# Altium PCB 整板_大板_one_EDA.PcbDoc (part 1 of 4)
Units mil, origin at the board's own origin, x right, y up, seen from the top; angles counter-clockwise.
Board outline 19488.19 x 7322.83 mil, 2 copper layers (Top Layer, Bottom Layer); 297 components, 275 nets, 1813 pads, 741 vias.
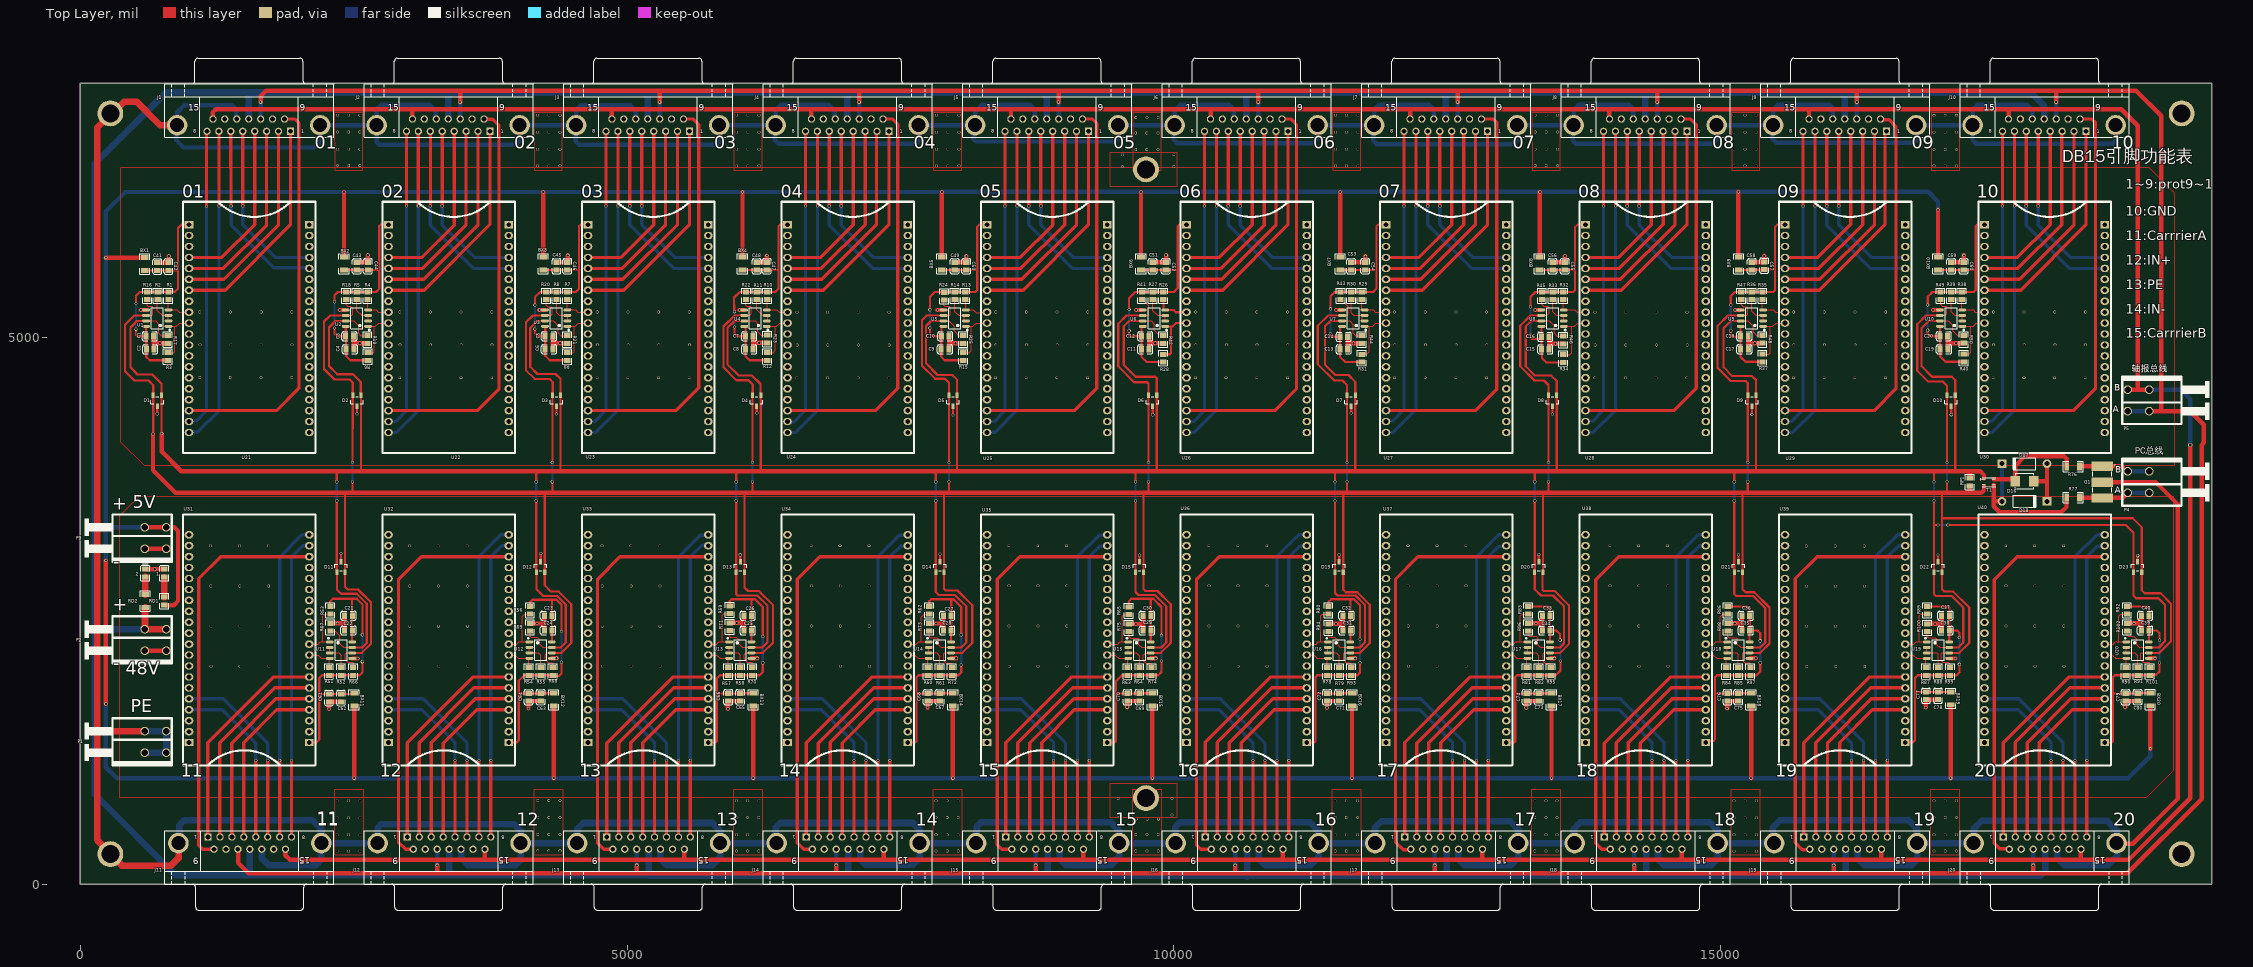
[diagram p0: Top Layer view]
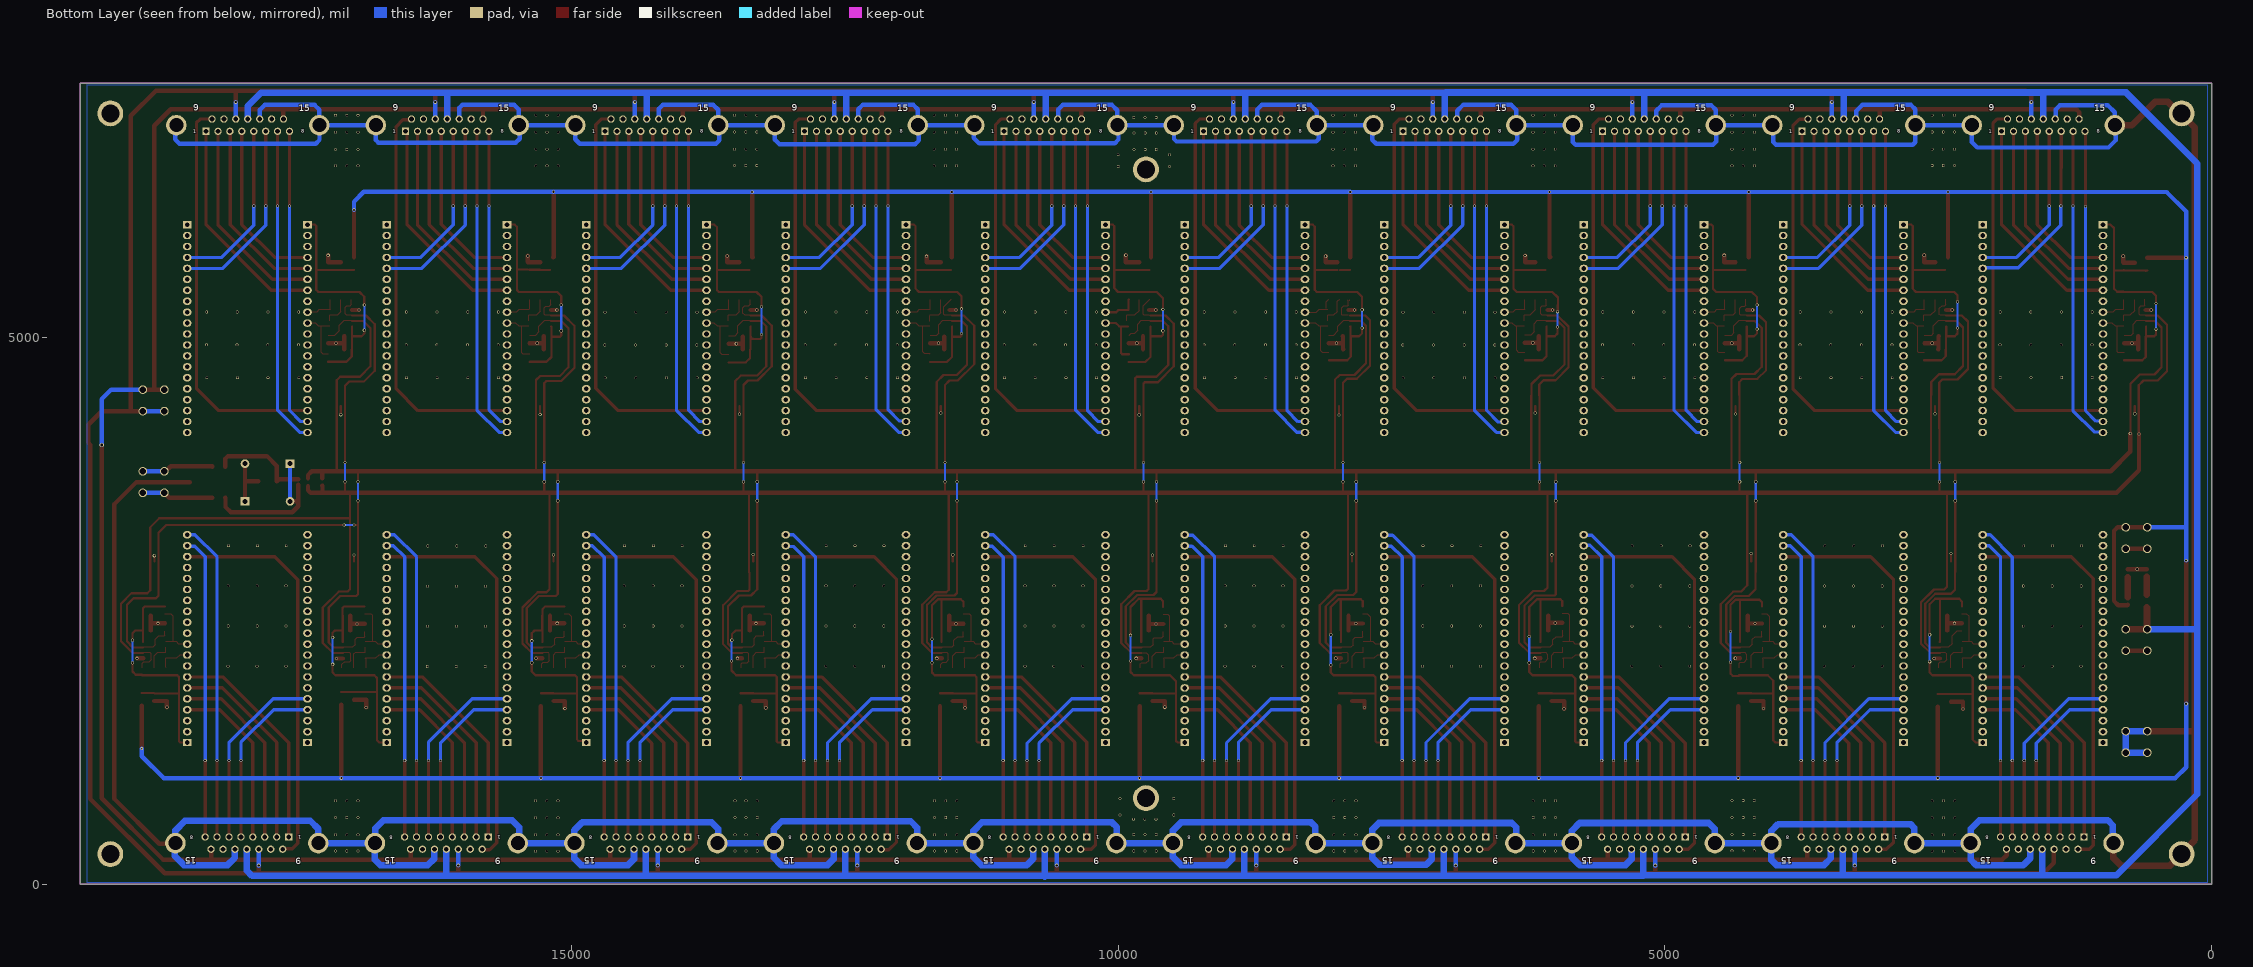
[diagram p1: Bottom Layer view, seen from below]

## Layer stack, top to bottom
Top Solder: solder mask 0.4, Solder Resist, Dk 3.5
Top Layer: signal copper 1.4
Dielectric 1: dielectric 12.6, FR-4, Dk 4.8
Bottom Layer: signal copper 1.4
Bottom Solder: solder mask 0.4, Solder Resist, Dk 3.5

## Board outline
0,0 19488.19,0 19488.19,7322.83 0,7322.83

## Design rules (kind name [scope] priority, off if disabled: settings)
AssemblyTestPointUsage [All] p0: scope1count=1 scope1_0_kind=Board scope1_0_value=Board scope2count=1 scope2_0_kind=Board scope2_0_value=Board commentlength=0
AssemblyTestpoint [All] p0: scope1count=1 scope1_0_kind=Board scope1_0_value=Board scope2count=1 scope2_0_kind=Board scope2_0_value=Board commentlength=0
Clearance Clearance_5 [All] p0 off: scope1count=1 scope1_0_kind=Board scope1_0_value=Board scope2count=1 scope2_0_kind=Board scope2_0_value=Board commentlength=73 gap=10 // Protel DXP Scope 1 Expression Was: InNamedPolygon('Bottom Layer-GND')
Clearance Clearance_4 [All] p0 off: scope1count=1 scope1_0_kind=Board scope1_0_value=Board scope2count=1 scope2_0_kind=Board scope2_0_value=Board commentlength=73 gap=15 // Protel DXP Scope 1 Expression Was: InNamedPolygon('Bottom Layer-GND')
Clearance Clearance_3 [All] p0 off: scope1count=1 scope1_0_kind=Board scope1_0_value=Board scope2count=1 scope2_0_kind=Board scope2_0_value=Board commentlength=73 gap=10 // Protel DXP Scope 1 Expression Was: InNamedPolygon('Bottom Layer-GND')
Clearance Clearance_2 [All] p0 off: scope1count=1 scope1_0_kind=Board scope1_0_value=Board scope2count=1 scope2_0_kind=Board scope2_0_value=Board commentlength=73 gap=10 // Protel DXP Scope 1 Expression Was: InNamedPolygon('Bottom Layer-GND')
Clearance Clearance_1 [All] p0 off: scope1count=1 scope1_0_kind=Board scope1_0_value=Board scope2count=1 scope2_0_kind=Board scope2_0_value=Board commentlength=69 gap=19.68 // Protel DXP Scope 1 Expression Was: InNamedPolygon('GND_L02_P000')
Clearance [All] p0: scope1count=1 scope1_0_kind=Board scope1_0_value=Board scope2count=1 scope2_0_kind=Board scope2_0_value=Board commentlength=0 gap=10
Clearance Clearance_5 [InNamedPolygon('Bottom Layer-GND')] p1: gap=10 ignorepadtopadclearanceinfootprint=FALSE
Clearance Clearance_4 [InNamedPolygon('Bottom Layer-GND')] p2: gap=15 ignorepadtopadclearanceinfootprint=FALSE
Clearance Clearance_3 [InNamedPolygon('Bottom Layer-GND')] p3: gap=10 ignorepadtopadclearanceinfootprint=FALSE except(0: Arc-Hole Track-Hole SMDPad-Hole THPad-Hole Via-Hole Fill-Hole Poly-Hole Region-Hole Text-Hole)
Clearance Clearance_2 [InNamedPolygon('Bottom Layer-GND')] p4: gap=10 ignorepadtopadclearanceinfootprint=FALSE except(0: Arc-Hole Track-Hole SMDPad-Hole THPad-Hole Via-Hole Fill-Hole Poly-Hole Region-Hole Text-Hole; 19.68: Arc-Fill Arc-Poly Arc-Region Track-Fill Track-Poly Track-Region SMDPad-Fill SMDPad-Poly SMDPad-Region THPad-Fill THPad-Poly THPad-Region Via-Fill Via-Poly Via-Region Fill-Fill Fill-Poly Fill-Region Poly-Poly Poly-Region Region-Region)
Clearance Clearance_1 [InNamedPolygon('GND_L02_P000')] p5: gap=19.68 ignorepadtopadclearanceinfootprint=FALSE except(0: Arc-Hole Track-Hole SMDPad-Hole THPad-Hole Via-Hole Fill-Hole Poly-Hole Region-Hole Text-Hole; 10: Arc-SMDPad Arc-THPad Arc-Via Arc-Text Track-SMDPad Track-THPad Track-Via Track-Text SMDPad-SMDPad SMDPad-THPad SMDPad-Via SMDPad-Text THPad-THPad THPad-Via THPad-Text Via-Via Via-Text Fill-Text Poly-Text Region-Text Text-Text; 20: Arc-Arc Arc-Track Track-Track)
Clearance [All] p6: gap=10 ignorepadtopadclearanceinfootprint=FALSE except(0: Arc-Hole Track-Hole SMDPad-Hole THPad-Hole Via-Hole Fill-Hole Poly-Hole Region-Hole Text-Hole)
ComponentClearance [All] p0: scope1count=1 scope1_0_kind=Board scope1_0_value=Board scope2count=1 scope2_0_kind=Board scope2_0_value=Board commentlength=0 gap=0 collisioncheckmode=3
ComponentClearance [All] p1: gap=0 collisioncheckmode=3 verticalgap=0 showdistances=FALSE
DiffPairsRouting [All] p0: scope1count=1 scope1_0_kind=Board scope1_0_value=Board scope2count=1 scope2_0_kind=Board scope2_0_value=Board commentlength=0
FabricationTestPointUsage [All] p0: scope1count=1 scope1_0_kind=Board scope1_0_value=Board scope2count=1 scope2_0_kind=Board scope2_0_value=Board commentlength=0 valid=0 allowmultiple=FALSE
FabricationTestpoint [All] p0: scope1count=1 scope1_0_kind=Board scope1_0_value=Board scope2count=1 scope2_0_kind=Board scope2_0_value=Board commentlength=0 side=3 testpointundercomponent=TRUE minsize=40 maxsize=100 preferedsize=60 minholesize=0 maxholesize=40 preferedholesize=32 testpointgrid=1
FanoutControl Fanout_BGA [All] p0 off: scope1count=1 scope1_0_kind=Board scope1_0_value=Board scope2count=1 scope2_0_kind=Board scope2_0_value=Board commentlength=69 // Protel DXP Scope 1 Expression Was: IsBGA   Fanout_BGA (Default Rule)
FanoutControl Fanout_LCC [All] p0 off: scope1count=1 scope1_0_kind=Board scope1_0_value=Board scope2count=1 scope2_0_kind=Board scope2_0_value=Board commentlength=69 // Protel DXP Scope 1 Expression Was: IsLCC   Fanout_LCC (Default Rule)
FanoutControl Fanout_SOIC [All] p0 off: scope1count=1 scope1_0_kind=Board scope1_0_value=Board scope2count=1 scope2_0_kind=Board scope2_0_value=Board commentlength=71 // Protel DXP Scope 1 Expression Was: IsSOIC   Fanout_SOIC (Default Rule)
FanoutControl Fanout_Small [All] p0 off: scope1count=1 scope1_0_kind=Board scope1_0_value=Board scope2count=1 scope2_0_kind=Board scope2_0_value=Board commentlength=84 // Protel DXP Scope 1 Expression Was: (CompPinCount < 5)   Fanout_Small (Default Rule)
FanoutControl Fanout_Default [All] p0: scope1count=1 scope1_0_kind=Board scope1_0_value=Board scope2count=1 scope2_0_kind=Board scope2_0_value=Board commentlength=30 // Fanout_Default (Default Rule)
Height [All] p0: scope1count=1 scope1_0_kind=Board scope1_0_value=Board scope2count=1 scope2_0_kind=Board scope2_0_value=Board commentlength=0
HoleSize [All] p0: scope1count=1 scope1_0_kind=Board scope1_0_value=Board scope2count=1 scope2_0_kind=Board scope2_0_value=Board commentlength=0 absolutevalues=TRUE maxlimit=200 minlimit=1 maxpercent=80.000 minpercent=20.000
HoleSize [All] p1: absolutevalues=TRUE maxlimit=200 minlimit=1 maxpercent=80.000 minpercent=20.000
HoleToHoleClearance [All] p0: scope1count=1 scope1_0_kind=Board scope1_0_value=Board scope2count=1 scope2_0_kind=Board scope2_0_value=Board commentlength=0
HoleToHoleClearance [All] p1: gap=0 allowstackedmicrovias=TRUE
LayerPairs [All] p0: scope1count=1 scope1_0_kind=Board scope1_0_value=Board scope2count=1 scope2_0_kind=Board scope2_0_value=Board commentlength=0 enforce=TRUE
MinimumSolderMaskSliver [All] p0: scope1count=1 scope1_0_kind=Board scope1_0_value=Board scope2count=1 scope2_0_kind=Board scope2_0_value=Board commentlength=0
MinimumSolderMaskSliver [All] p1: minsoldermaskwidth=0
NetAntennae [All] p0: scope1count=1 scope1_0_kind=Board scope1_0_value=Board scope2count=1 scope2_0_kind=Board scope2_0_value=Board commentlength=0
PasteMaskExpansion [All] p0: scope1count=1 scope1_0_kind=Board scope1_0_value=Board scope2count=1 scope2_0_kind=Board scope2_0_value=Board commentlength=0 expansion=0
PlaneClearance [All] p0: scope1count=1 scope1_0_kind=Board scope1_0_value=Board scope2count=1 scope2_0_kind=Board scope2_0_value=Board commentlength=0 clearance=20
PlaneConnect [All] p0: scope1count=1 scope1_0_kind=Board scope1_0_value=Board scope2count=1 scope2_0_kind=Board scope2_0_value=Board commentlength=0 planeconnectstyle=Direct reliefexpansion=20 reliefentries=4 reliefconductorwidth=10 reliefairgap=10
PlaneConnect [All] p1: planeconnectstyle=Direct reliefexpansion=20 reliefentries=4 reliefconductorwidth=10 reliefairgap=10
PolygonConnect PolygonConnect_2 [All] p0 off: scope1count=1 scope1_0_kind=Board scope1_0_value=Board scope2count=1 scope2_0_kind=Board scope2_0_value=Board commentlength=73 connectstyle=Direct reliefconductorwidth=10 reliefentries=4 polygonreliefangle="90 Angle" // Protel DXP Scope 2 Expression Was: IsNamedPolygon('Bottom Layer-GND')
PolygonConnect PolygonConnect_1 [All] p0 off: scope1count=1 scope1_0_kind=Board scope1_0_value=Board scope2count=1 scope2_0_kind=Board scope2_0_value=Board commentlength=73 connectstyle=Direct reliefconductorwidth=10 reliefentries=4 polygonreliefangle="90 Angle" // Protel DXP Scope 2 Expression Was: IsNamedPolygon('Bottom Layer-GND')
PolygonConnect [All] p0: scope1count=1 scope1_0_kind=Board scope1_0_value=Board scope2count=1 scope2_0_kind=Board scope2_0_value=Board commentlength=0 connectstyle=Direct reliefconductorwidth=10 reliefentries=4 polygonreliefangle="90 Angle"
PolygonConnect PolygonConnect_2 [All vs IsNamedPolygon('Bottom Layer-GND')] p1: connectstyle=Direct reliefconductorwidth=10 reliefentries=4 polygonreliefangle="90 Angle" airgapwidth=10
PolygonConnect PolygonConnect_1 [All vs IsNamedPolygon('Bottom Layer-GND')] p2: thpad.connectstyle=Direct thpad.reliefconductorwidth=10 thpad.reliefentries=4 thpad.polygonreliefangle="90 Angle" thpad.airgapwidth=10 smdpad.connectstyle=Direct smdpad.reliefconductorwidth=10 smdpad.reliefentries=4 smdpad.polygonreliefangle="90 Angle" smdpad.airgapwidth=10 via.connectstyle=Relief via.reliefconductorwidth=10 via.reliefentries=4 via.polygonreliefangle="90 Angle" via.airgapwidth=10
PolygonConnect [All] p3: connectstyle=Direct reliefconductorwidth=10 reliefentries=4 polygonreliefangle="90 Angle" airgapwidth=10
RoutingCorners [All] p0: scope1count=1 scope1_0_kind=Board scope1_0_value=Board scope2count=1 scope2_0_kind=Board scope2_0_value=Board commentlength=0 cornerstyle=45-Degree minsetback=100 maxsetback=100
RoutingLayers [All] p0: scope1count=1 scope1_0_kind=Board scope1_0_value=Board scope2count=1 scope2_0_kind=Board scope2_0_value=Board commentlength=0 top layer=Automatic bottom layer=Automatic
RoutingPriority [All] p0: scope1count=1 scope1_0_kind=Board scope1_0_value=Board scope2count=1 scope2_0_kind=Board scope2_0_value=Board commentlength=0
RoutingTopology [All] p0: scope1count=1 scope1_0_kind=Board scope1_0_value=Board scope2count=1 scope2_0_kind=Board scope2_0_value=Board commentlength=0 topology=Shortest
RoutingVias [All] p0: scope1count=1 scope1_0_kind=Board scope1_0_value=Board scope2count=1 scope2_0_kind=Board scope2_0_value=Board commentlength=0 holewidth=15 width=20 viastyle="Through Hole" minholewidth=10 minwidth=15 maxholewidth=200 maxwidth=200
RoutingVias [All] p1: holewidth=15 width=20 viastyle="Through Hole" minholewidth=10 minwidth=15 maxholewidth=200 maxwidth=200
ShortCircuit [All] p0: scope1count=1 scope1_0_kind=Board scope1_0_value=Board scope2count=1 scope2_0_kind=Board scope2_0_value=Board commentlength=0 allowed=FALSE
SilkToBoardRegionClearance [All] p0: scope1count=1 scope1_0_kind=Board scope1_0_value=Board scope2count=1 scope2_0_kind=Board scope2_0_value=Board commentlength=0
SilkToSilkClearance [All] p0: scope1count=1 scope1_0_kind=Board scope1_0_value=Board scope2count=1 scope2_0_kind=Board scope2_0_value=Board commentlength=0
SilkToSilkClearance [All] p1: silktosilkclearance=0
SilkToSolderMaskClearance [All] p0 off: scope1count=1 scope1_0_kind=Board scope1_0_value=Board scope2count=1 scope2_0_kind=Board scope2_0_value=Board commentlength=44 // Protel DXP Scope 1 Expression Was: IsPad
SilkToSolderMaskClearance [IsPad] p1: minsilkscreentomaskgap=0 clearancetoexposedcopper=TRUE
SolderMaskExpansion [All] p0: scope1count=1 scope1_0_kind=Board scope1_0_value=Board scope2count=1 scope2_0_kind=Board scope2_0_value=Board commentlength=0 expansion=4
SolderMaskExpansion [All] p1: expansion=4
UnRoutedNet [All] p0: scope1count=1 scope1_0_kind=Board scope1_0_value=Board scope2count=1 scope2_0_kind=Board scope2_0_value=Board commentlength=0
UnpouredPolygon [All] p0: scope1count=1 scope1_0_kind=Board scope1_0_value=Board scope2count=1 scope2_0_kind=Board scope2_0_value=Board commentlength=0
Width [All] p0: scope1count=1 scope1_0_kind=Board scope1_0_value=Board scope2count=1 scope2_0_kind=Board scope2_0_value=Board commentlength=0 maxlimit=100 minlimit=10 preferedwidth=10
Width [All] p1: maxlimit=100 minlimit=10 preferedwidth=10
23 further rules are at their usual default settings.

## Components (designator, comment, footprint, x,y, rotation, side; value= is the part's Value field where it differs from the comment)
1 "翠绿 0805" 0805_LED_S1 770,2844.96 r270 top
2 "翠绿 0805" 0805_LED_S1 595,2845 r270 top
BX1 "8V 0.75A" 1206_R 590,5670 r270 top
BX2 "8V 0.75A" 1206_R 2411.67,5672.99 r270 top
BX3 "8V 0.75A" 1206_R 4233.33,5672.99 r270 top
BX4 "8V 0.75A" 1206_R 6055,5672.99 r270 top
BX5 "8V 0.75A" 1206_R 7876.67,5672.99 r270 top
BX6 "8V 0.75A" 1206_R 9698.33,5672.99 r270 top
BX7 "8V 0.75A" 1206_R 11520,5672.99 r270 top
BX8 "8V 0.75A" 1206_R 13341.67,5672.99 r270 top
BX9 "8V 0.75A" 1206_R 15163.33,5672.99 r270 top
BX10 "8V 0.75A" 1206_R 16985,5672.99 r270 top
BX11 "8V 0.75A" 1206_R 2505,1687.01 r90 top
BX12 "8V 0.75A" 1206_R 4329.44,1687.01 r90 top
BX13 "8V 0.75A" 1206_R 6153.89,1687.01 r90 top
BX14 "8V 0.75A" 1206_R 7978.33,1687.01 r90 top
BX15 "8V 0.75A" 1206_R 9802.78,1687.01 r90 top
BX16 "8V 0.75A" 1206_R 11627.22,1687.01 r90 top
BX17 "8V 0.75A" 1206_R 13451.67,1687.01 r90 top
BX18 "8V 0.75A" 1206_R 15276.11,1687.01 r90 top
BX19 "8V 0.75A" 1206_R 17100.56,1700 r90 top
BX20 "8V 0.75A" 1206_R 18925,1690 r90 top
C1 "Cap Semi" 0805_C 636.83,5008.98 r0 top
C2 "Cap Semi" 0805_C 640,4890 r0 top
C3 "Cap Semi" 0805_C 2461.83,5008.98 r0 top
C4 "Cap Semi" 0805_C 2466.83,4890 r0 top
C5 "Cap Semi" 0805_C 4286.83,5008.98 r0 top
C6 "Cap Semi" 0805_C 4286.83,4890 r0 top
C7 "Cap Semi" 0805_C 6116.83,5008.98 r0 top
C8 "Cap Semi" 0805_C 6116.83,4890 r0 top
C9 "Cap Semi" 0805_C 7906.83,4890 r0 top
C10 "Cap Semi" 0805_C 7908.83,5008.98 r0 top
C11 "Cap Semi" 0805_C 9736.83,4890 r0 top
C12 "Cap Semi" 0805_C 9736.83,5008.98 r0 top
C13 "Cap Semi" 0805_C 11551.83,4890 r0 top
C14 "Cap Semi" 0805_C 11551.83,5005 r0 top
C15 "Cap Semi" 0805_C 13394.96,4890 r0 top
C16 "Cap Semi" 0805_C 13393.08,5005 r0 top
C17 "Cap Semi" 0805_C 15215.04,4890 r0 top
C18 "Cap Semi" 0805_C 15214.95,5010 r0 top
C19 "Cap Semi" 0805_C 17039.96,4890 r0 top
C20 "Cap Semi" 0805_C 17036.83,5010 r0 top
C21 "Cap Semi" 0805_C 2453.17,2455 r180 top
C22 "Cap Semi" 0805_C 2453.17,2320 r180 top
C23 "Cap Semi" 0805_C 4278.17,2455 r180 top
C24 "Cap Semi" 0805_C 4278.17,2320 r180 top
C25 "Cap Semi" 0805_C 6103.17,2320 r180 top
C26 "Cap Semi" 0805_C 6103.17,2455 r180 top
C27 "Cap Semi" 0805_C 7928.17,2455 r180 top
C28 "Cap Semi" 0805_C 7928.17,2320 r180 top
C29 "Cap Semi" 0805_C 9753.17,2320 r180 top
C30 "Cap Semi" 0805_C 9753.17,2455 r180 top
C31 "Cap Semi" 0805_C 11578.17,2320 r180 top
C32 "Cap Semi" 0805_C 11578.17,2455 r180 top
C33 "Cap Semi" 0805_C 13403.17,2455 r180 top
C34 "Cap Semi" 0805_C 13403.17,2320 r180 top
C35 "Cap Semi" 0805_C 15228.17,2320 r180 top
C36 "Cap Semi" 0805_C 15228.17,2455 r180 top
C37 "Cap Semi" 0805_C 17053.17,2455 r180 top
C38 "Cap Semi" 0805_C 17053.17,2320 r180 top
C39 "Cap Semi" 0805_C 18878.17,2320 r180 top
C40 "Cap Semi" 0805_C 18880,2455 r180 top
C41 "Cap Semi" 0805_C 705,5646.97 r90 top
C42 "Cap Semi" 0805_C 807.11,5646.97 r90 top
C43 "Cap Semi" 0805_C 2530,5649.96 r90 top
C44 "Cap Semi" 0805_C 2630.76,5649.96 r90 top
C45 "Cap Semi" 0805_C 4355,5649.96 r90 top
C46 "Cap Semi" 0805_C 4454.42,5649.96 r90 top
C47 "Cap Semi" 0805_C 6278.07,5649.96 r90 top
C48 "Cap Semi" 0805_C 6185,5649.96 r90 top
C49 "Cap Semi" 0805_C 7995.63,5649.96 r90 top
C50 "Cap Semi" 0805_C 8101.73,5649.96 r90 top
C51 "Cap Semi" 0805_C 9805,5649.96 r90 top
C52 "Cap Semi" 0805_C 9925.38,5649.96 r90 top
C53 "Cap Semi" 0805_C 11620,5649.96 r90 top
C54 "Cap Semi" 0805_C 11749.04,5649.96 r90 top
C55 "Cap Semi" 0805_C 13572.69,5649.96 r90 top
C56 "Cap Semi" 0805_C 13461.25,5649.96 r90 top
C57 "Cap Semi" 0805_C 15396.35,5654.96 r90 top
C58 "Cap Semi" 0805_C 15283.13,5649.96 r90 top
C59 "Cap Semi" 0805_C 17105,5649.96 r90 top
C60 "Cap Semi" 0805_C 17220,5649.96 r90 top
C61 "Cap Semi" 0805_C 2275,1703.03 r270 top
C62 "Cap Semi" 0805_C 2385,1703.03 r270 top
C63 "Cap Semi" 0805_C 4210,1710.04 r270 top
C64 "Cap Semi" 0805_C 4100,1710.04 r270 top
C65 "Cap Semi" 0805_C 6035,1710.04 r270 top
C66 "Cap Semi" 0805_C 5925,1710.04 r270 top
C67 "Cap Semi" 0805_C 7860,1710.04 r270 top
C68 "Cap Semi" 0805_C 7750,1710.04 r270 top
C69 "Cap Semi" 0805_C 9685,1710.04 r270 top
C70 "Cap Semi" 0805_C 9575,1710.04 r270 top
C71 "Cap Semi" 0805_C 11510,1710.04 r270 top
C72 "Cap Semi" 0805_C 11400,1710.04 r270 top
C73 "Cap Semi" 0805_C 13335,1710.04 r270 top
C74 "Cap Semi" 0805_C 13225,1710.04 r270 top
C75 "Cap Semi" 0805_C 15160,1710.04 r270 top
C76 "Cap Semi" 0805_C 15060,1710.04 r270 top
C77 "Cap Semi" 0805_C 16875,1723.03 r270 top
C78 "Cap Semi" 0805_C 16985,1723.03 r270 top
C79 "Cap Semi" 0805_C 18700,1710.04 r270 top
C80 "Cap Semi" 0805_C 18810,1710.04 r270 top
D1 "SM712" SOT-23(SOT-23-3) 705,4420 r90 top
D2 "SM712" SOT-23(SOT-23-3) 2530,4420 r90 top
D3 "SM712" SOT-23(SOT-23-3) 4355,4420 r90 top
D4 "SM712" SOT-23(SOT-23-3) 6185,4420 r90 top
D5 "SM712" SOT-23(SOT-23-3) 7980,4420 r90 top
D6 "SM712" SOT-23(SOT-23-3) 9805,4420 r90 top
D7 "SM712" SOT-23(SOT-23-3) 11620,4420 r90 top
D8 "SM712" SOT-23(SOT-23-3) 13461.25,4420 r90 top
D9 "SM712" SOT-23(SOT-23-3) 15283.13,4420 r90 top
D10 "SM712" SOT-23(SOT-23-3) 17105,4420 r90 top
D11 "SM712" SOT-23(SOT-23-3) 2385,2900 r270 top
D12 "SM712" SOT-23(SOT-23-3) 4210,2900 r270 top
D13 "SM712" SOT-23(SOT-23-3) 6035,2900 r270 top
D14 "SM712" SOT-23(SOT-23-3) 7860,2900 r270 top
D15 "SM712" SOT-23(SOT-23-3) 9685,2900 r270 top
D16 "" SMBJ8_5CA 17859.92,3685 r180 top
D17 "" DO-41 17775.28,3845 r180 top
D18 "" DO-41 17775.28,3500 r0 top
D19 "SM712" SOT-23(SOT-23-3) 11510,2900 r270 top
D20 "SM712" SOT-23(SOT-23-3) 13335,2900 r270 top
D21 "SM712" SOT-23(SOT-23-3) 15160,2900 r270 top
D22 "SM712" SOT-23(SOT-23-3) 16985,2900 r270 top
D23 "SM712" SOT-23(SOT-23-3) 18810,2900 r270 top
G1 "" B3D090L-C 18485.28,3822.24 r270 top
J1 "Connector 15" DB15-PCB 1922.58,6883.19 r0 top
J2 "Connector 15" DB15-PCB 3746.47,6883.19 r0 top
J3 "Connector 15" DB15-PCB 5570.36,6883.19 r0 top
J4 "Connector 15" DB15-PCB 7394.25,6883.19 r0 top
J5 "Connector 15" DB15-PCB 9218.14,6883.19 r0 top
J6 "Connector 15" DB15-PCB 11042.03,6883.19 r0 top
J7 "Connector 15" DB15-PCB 12865.92,6883.19 r0 top
J8 "Connector 15" DB15-PCB 14689.81,6883.19 r0 top
J9 "Connector 15" DB15-PCB 16513.69,6883.19 r0 top
J10 "Connector 15" DB15-PCB 18337.58,6883.19 r0 top
J11 "Connector 15" DB15-PCB 1169.25,431.81 r180 top
J12 "Connector 15" DB15-PCB 2991.31,431.81 r180 top
J13 "Connector 15" DB15-PCB 4815.19,431.81 r180 top
J14 "Connector 15" DB15-PCB 6639.08,431.81 r180 top
J15 "Connector 15" DB15-PCB 8462.97,431.81 r180 top
J16 "Connector 15" DB15-PCB 10286.86,431.81 r180 top
J17 "Connector 15" DB15-PCB 12110.75,431.81 r180 top
J18 "Connector 15" DB15-PCB 13934.64,431.81 r180 top
J19 "Connector 15" DB15-PCB 15758.53,431.81 r180 top
J20 "Connector 15" DB15-PCB 17582.42,431.81 r180 top
P1 "Header 2" 弹簧端子-KF242V-5.0-2P 590.55,1203.11 r90 top
P2 "Header 2" 弹簧端子-KF242V-5.0-2P 590.55,2134.78 r90 top
P3 "Header 2" 弹簧端子-KF242V-5.0-2P 590.55,3066.46 r90 top
P4 "Header 2" 弹簧端子-KF242V-5.0-2P 18915,3775 r270 top
P5 "Header 2" 弹簧端子-KF242V-5.0-2P 18915,4521.85 r270 top
R1 "5.1K" 0805_R 807.11,5380.04 r90 top
R2 "5.1K" 0805_R 710,5380.04 r90 top
R3 "5.1K" 0805_R 802.11,4824.96 r270 top
R4 "5.1K" 0805_R 2627.11,5380.04 r90 top
R5 "5.1K" 0805_R 2530,5380.04 r90 top
R6 "5.1K" 0805_R 2630,4824.96 r270 top
R7 "5.1K" 0805_R 4452.11,5380.04 r90 top
R8 "5.1K" 0805_R 4355,5380 r90 top
R9 "5.1K" 0805_R 4452.11,4824.96 r270 top
R10 "5.1K" 0805_R 6280,5380 r90 top
R11 "5.1K" 0805_R 6185,5380.04 r90 top
R12 "5.1K" 0805_R 6280,4825 r270 top
R13 "5.1K" 0805_R 8092.74,5380 r90 top
R14 "5.1K" 0805_R 7995.62,5380 r90 top
R15 "5.1K" 0805_R 8072.11,4825 r270 top
R16 "10K" 0805_R 612.89,5380.04 r270 top
R17 "10K" 0805_R 802.11,4980.04 r270 top
R18 "10K" 0805_R 2432.89,5380.04 r270 top
R19 "10K" 0805_R 2627.11,4980.04 r270 top
R20 "10K" 0805_R 4260,5379.96 r270 top
R21 "10K" 0805_R 4452.11,4980.04 r270 top
R22 "10K" 0805_R 6087.89,5380.04 r270 top
R23 "10K" 0805_R 6282.11,4985.04 r270 top
R24 "10K" 0805_R 7898.51,5375 r270 top
R25 "10K" 0805_R 8074.11,4980.04 r270 top
R26 "5.1K" 0805_R 9902.11,5380 r90 top
R27 "5.1K" 0805_R 9805,5380 r90 top
R28 "5.1K" 0805_R 9902.11,4810 r270 top
R29 "5.1K" 0805_R 11717.11,5380 r90 top
R30 "5.1K" 0805_R 11620,5380 r90 top
R31 "5.1K" 0805_R 11717.11,4810 r270 top
R32 "5.1K" 0805_R 13558.36,5380 r90 top
R33 "5.1K" 0805_R 13461.25,5380 r90 top
R34 "5.1K" 0805_R 13558.36,4806.02 r270 top
R35 "5.1K" 0805_R 15380.24,5380 r90 top
R36 "5.1K" 0805_R 15283.12,5380 r90 top
R37 "5.1K" 0805_R 15380.24,4811.02 r270 top
R38 "5.1K" 0805_R 17202.11,5380 r90 top
R39 "5.1K" 0805_R 17105,5380 r90 top
R40 "5.1K" 0805_R 17220,4811.02 r270 top
R41 "10K" 0805_R 9707.89,5380 r270 top
R42 "10K" 0805_R 9902.11,4980.04 r270 top
R43 "10K" 0805_R 11522.89,5380 r270 top
R44 "10K" 0805_R 11717.11,4980.04 r270 top
R45 "10K" 0805_R 13364.14,5380 r270 top
R46 "10K" 0805_R 13558.36,4976.06 r270 top
R47 "10K" 0805_R 15186.01,5380 r270 top
R48 "10K" 0805_R 15380.24,4981.06 r270 top
R49 "10K" 0805_R 17007.89,5380 r270 top
R50 "10K" 0805_R 17220,4981.06 r270 top
R51 "5.1K" 0805_R 2275,1945.04 r270 top
R52 "5.1K" 0805_R 2385,1945 r270 top
R53 "5.1K" 0805_R 2287.89,2505 r90 top
R54 "5.1K" 0805_R 4100,1945 r270 top
R55 "5.1K" 0805_R 4210,1945 r270 top
R56 "5.1K" 0805_R 4112.89,2504.96 r90 top
R57 "5.1K" 0805_R 5925,1945 r270 top
R58 "5.1K" 0805_R 6035,1945 r270 top
R59 "5.1K" 0805_R 5937.89,2509.96 r90 top
R60 "5.1K" 0805_R 7750,1945 r270 top
R61 "5.1K" 0805_R 7860,1945 r270 top
R62 "5.1K" 0805_R 7762.89,2504.96 r90 top
R63 "5.1K" 0805_R 9575,1945 r270 top
R64 "5.1K" 0805_R 9685,1945 r270 top
R65 "5.1K" 0805_R 9587.89,2499.96 r90 top
R66 "10K" 0805_R 2495,1945 r90 top
R67 "10K" 0805_R 2287.89,2350 r90 top
R68 "10K" 0805_R 4320,1945 r90 top
R69 "10K" 0805_R 4112.89,2348.94 r90 top
R70 "10K" 0805_R 6145,1945 r90 top
R71 "10K" 0805_R 5937.89,2353.94 r90 top
R72 "10K" 0805_R 7970,1945 r90 top
R73 "10K" 0805_R 7762.89,2348.94 r90 top
R74 "10K" 0805_R 9795,1945 r90 top
R75 "10K" 0805_R 9587.89,2343.94 r90 top
R76 "" 1206_R 18220.28,3818.37 r0 top
R77 "" 1206_R 18220.28,3534.78 r0 top
R78 "5.1K" 0805_R 11400,1945 r270 top
R79 "5.1K" 0805_R 11510,1945 r270 top
R80 "5.1K" 0805_R 11412.89,2505 r90 top
R81 "5.1K" 0805_R 13225,1945 r270 top
R82 "5.1K" 0805_R 13335,1945 r270 top
R83 "5.1K" 0805_R 13237.89,2505 r90 top
R84 "5.1K" 0805_R 15050,1945 r270 top
R85 "5.1K" 0805_R 15160,1945 r270 top
R86 "5.1K" 0805_R 15062.89,2504.96 r90 top
R87 "5.1K" 0805_R 16875,1945 r270 top
R88 "5.1K" 0805_R 16985,1945 r270 top
R89 "5.1K" 0805_R 16887.89,2505 r90 top
R90 "5.1K" 0805_R 18700,1945 r270 top
R91 "5.1K" 0805_R 18810,1945 r270 top
R92 "5.1K" 0805_R 18712.89,2505 r90 top
R93 "10K" 0805_R 11620,1945 r90 top
R94 "10K" 0805_R 11412.89,2345 r90 top
R95 "10K" 0805_R 13445,1945 r90 top
R96 "10K" 0805_R 13237.89,2350 r90 top
R97 "10K" 0805_R 15270,1945 r90 top
R98 "10K" 0805_R 15062.89,2350 r90 top
R99 "10K" 0805_R 17095,1945 r90 top
R100 "10K" 0805_R 16887.89,2345 r90 top
R101 "10K" 0805_R 18920,1945 r90 top
R102 "10K" 0805_R 18712.89,2350 r90 top
RD1 "2.2KΩ (2201) ±1%" 0805_R 770,2588.66 r270 top
RD2 "24KΩ (2402) ±1%" 1206_R 595,2588.66 r270 top
RP1 "500" 0805_R 17275,3676.57 r270 top
T1 "" ACM2520-2P 17404.72,3702.17 r0 top
U1 "MAX13487" SOIC-8_150mil 705,5175 r90 top
U2 "MAX13487" SOIC-8_150mil 2530,5175 r90 top
U3 "MAX13487" SOIC-8_150mil 4351.88,5175 r90 top
U4 "MAX13487" SOIC-8_150mil 6173.75,5175 r90 top
U5 "MAX13487" SOIC-8_150mil 7995.62,5175 r90 top
U6 "MAX13487" SOIC-8_150mil 9817.5,5175 r90 top
U7 "MAX13487" SOIC-8_150mil 11639.38,5175 r90 top
U8 "MAX13487" SOIC-8_150mil 13461.25,5175 r90 top
U9 "MAX13487" SOIC-8_150mil 15283.12,5175 r90 top
U10 "MAX13487" SOIC-8_150mil 17105,5175 r90 top
U11 "MAX13487" SOIC-8_150mil 2385,2140 r270 top
U12 "MAX13487" SOIC-8_150mil 4210,2140 r270 top
U13 "MAX13487" SOIC-8_150mil 6035,2140 r270 top
U14 "MAX13487" SOIC-8_150mil 7860,2140 r270 top
U15 "MAX13487" SOIC-8_150mil 9685,2140 r270 top
U16 "MAX13487" SOIC-8_150mil 11510,2140 r270 top
U17 "MAX13487" SOIC-8_150mil 13335,2140 r270 top
U18 "MAX13487" SOIC-8_150mil 15160,2140 r270 top
U19 "MAX13487" SOIC-8_150mil 16985,2140 r270 top
U20 "MAX13487" SOIC-8_150mil 18810,2140 r270 top
U21 "Stm32F103C8T6" stm32f103c8t6 995,6030 r270 top
U22 "Stm32F103C8T6" stm32f103c8t6 2818.89,6030 r270 top
U23 "Stm32F103C8T6" stm32f103c8t6 4642.78,6030 r270 top
U24 "Stm32F103C8T6" stm32f103c8t6 6466.67,6030 r270 top
U25 "Stm32F103C8T6" stm32f103c8t6 8290.56,6030 r270 top
U26 "Stm32F103C8T6" stm32f103c8t6 10114.44,6030 r270 top
U27 "Stm32F103C8T6" stm32f103c8t6 11938.33,6030 r270 top
U28 "Stm32F103C8T6" stm32f103c8t6 13762.22,6030 r270 top
U29 "Stm32F103C8T6" stm32f103c8t6 15586.11,6030 r270 top
U30 "Stm32F103C8T6" stm32f103c8t6 17410,6030 r270 top
U31 "Stm32F103C8T6" stm32f103c8t6 2095,1295 r90 top
U32 "Stm32F103C8T6" stm32f103c8t6 3918.89,1295 r90 top
U33 "Stm32F103C8T6" stm32f103c8t6 5742.78,1295 r90 top
U34 "Stm32F103C8T6" stm32f103c8t6 7566.67,1295 r90 top
U35 "Stm32F103C8T6" stm32f103c8t6 9390.56,1295 r90 top
U36 "Stm32F103C8T6" stm32f103c8t6 11214.44,1295 r90 top
U37 "Stm32F103C8T6" stm32f103c8t6 13038.33,1295 r90 top
U38 "Stm32F103C8T6" stm32f103c8t6 14862.22,1295 r90 top
U39 "Stm32F103C8T6" stm32f103c8t6 16686.11,1295 r90 top
U40 "Stm32F103C8T6" stm32f103c8t6 18510,1295 r90 top

## Footprints (in the part's own frame and the unit in brackets; to place one, negate y for a bottom-side part, rotate by r counter-clockwise, add the part's x,y. Pads: shape width x height; smd on the part's side, far side on the other; paste and mask are expansions set on the pad)
0805_C [mm]
  rect 1.16x1.47 smd: 1(-0.89,0) 2(0.89,0)
  silkscreen extent -1.77,-1.04 1.77,1.04
0805_LED_S1 [mm]
  rect 1.16x1.47 smd: A(0.89,0) K(-0.89,0)
  silkscreen extent -1.77,-1.04 1.77,1.03
0805_R [mm]
  rect 1.16x1.47 smd: 1(-0.89,0) 2(0.89,0)
  silkscreen extent -1.77,-1.04 1.77,1.03
1206_R [mm]
  rect 1.13x1.8 smd: 1(-1.49,0) 2(1.49,0)
  silkscreen extent -2.36,-1.2 2.35,1.2
ACM2520-2P [mm] "共模电感"
  rect 0.8x0.4 smd: 1(0,0) 2(0,-1.3) 3(2.3,-1.3) 4(2.3,0)
  silkscreen extent -0.86,-1.7 2.72,0.4
B3D090L-C [mm] "TVS管 GDT"
  rect 2.2x5 smd: 1(0,0) 2(3.7,0) 3(7.4,0)
  silkscreen extent -0.3,-2.2 6.1,3.1
DB15-PCB [mm] "公头"
  rect 1.69x1.69 hole 1.09: 1(0,0)
  round 1.69 hole 1.09: 2(-2.77,0) 3(-5.54,0) 4(-8.31,0) 5(-11.08,0) 6(-13.85,0) 7(-16.62,0) 8(-19.39,0) 9(-1.385,2.84) 10(-4.155,2.84) 11(-6.925,2.84) 12(-9.695,2.84) 13(-12.465,2.84) 14(-15.235,2.84) 15(-18.005,2.84)
  round 4.76 hole 3.26: 16(-26.3,1.42) 17(6.897,1.42)
  silkscreen extent -29.22,-1.4 10.04,16.99
DO-41 [mm] "Diode, Axial; Body 5.2 x 2.7 mm (LxDia. max), Lead Dia. 0.86 mm (max)"
  round 2 hole 1.2: 1(-5.23,0)
  rect 2x2 hole 1.2: 2(5.23,0)
  silkscreen extent -2.65,-1.4 2.75,1.4
SMBJ8_5CA [mm] "瞬态抑制二极管"
  rect 2.3x2.5 smd: 1(0,0) 2(4.3,0)
  silkscreen extent 0,-1.83 4.29,1.78
SOIC-8_150mil [mm]
  oval 0.7x1.8 smd: 1(-1.905,-2.6) 2(-0.635,-2.6) 3(0.635,-2.6) 4(1.905,-2.6) 5(1.905,2.6) 6(0.635,2.6) 7(-0.635,2.6) 8(-1.905,2.6)
  silkscreen extent -2.9,-3.05 2.4,1.4
SOT-23(SOT-23-3) [mm]
  rect 1.25x0.7 smd: 1(1.25,-0.95) 2(1.25,0.95) 3(-1.25,0)
  silkscreen extent -0.65,-1.46 0.9,1.46
stm32f103c8t6 [mm] "优信30.77*58.71"
  rect 1.7x2 hole 1.1: 1(0,0) 40(0,27.94)
  oval 1.7x2 hole 1.1: 2(2.54,0) 3(5.08,0) 4(7.62,0) 5(10.16,0) 6(12.7,0) 7(15.24,0) 8(17.78,0) 9(20.32,0) 10(22.86,0) 11(25.4,0) 12(27.94,0) 13(30.48,0) 14(33.02,0) 15(35.56,0) 16(38.1,0) 17(40.64,0) 18(43.18,0) 19(45.72,0) 20(48.26,0) 21(48.26,27.94) 22(45.72,27.94) 23(43.18,27.94) 24(40.64,27.94) 25(38.1,27.94) 26(35.56,27.94) 27(33.02,27.94) 28(30.48,27.94) 29(27.94,27.94) 30(25.4,27.94) 31(22.86,27.94) 32(20.32,27.94) 33(17.78,27.94) 34(15.24,27.94) 35(12.7,27.94) 36(10.16,27.94) 37(7.62,27.94) 38(5.08,27.94) 39(2.54,27.94)
  silkscreen extent -5.33,-1.42 52.99,29.35
弹簧端子-KF242V-5.0-2P [mm]
  round 2 hole 1.5: 1(0,0) 1(0,-5) 2(5,-5) 2(5,0)
  silkscreen extent -3,-6.25 8,14

## Part data
1 2: library part "0805 翠绿", "发光二极管"
BX1 BX2 BX3 BX4 BX5 BX6 BX7 BX8 BX9 BX10 BX11 BX12 BX13 BX14 BX15 BX16 BX17 BX18 BX19 BX20: library part "1206 0Ω (0R0) 1%", "贴片电阻"
C1 C2 C3 C4 C5 C6 C7 C8 C9 C10 C11 C12 C13 C14 C15 C16 C17 C18 C19 C20 C21 C22 C23 C24 C25 C26 C27 C28 C29 C30 C31 C32 C33 C34 C35 C36 C37 C38 C39 C40 C41 C42 C43 C44 C45 C46 C47 C48 C49 C50 C51 C52 C53 C54 C55 C56 C57 C58 C59 C60 C61 C62 C63 C64 C65 C66 C67 C68 C69 C70 C71 C72 C73 C74 C75 C76 C77 C78 C79 C80: "Capacitor (Semiconductor SIM Model)"
D16: library part "D Varactor", "Variable Capacitance Diode"
D17 D18: library part "Diode 1N4007", "1 Amp General Purpose Rectifier"
G1: library part GDT
J1 J2 J3 J4 J5 J6 J7 J8 J9 J10 J11 J12 J13 J14 J15 J16 J17 J18 J19 J20: "Receptacle Assembly, 15-Pin, Sim Line Connector"
P1 P2 P3 P4 P5: "Header, 2-Pin"
R1 R2 R3 R4 R5 R6 R7 R8 R9 R10 R11 R12 R13 R14 R15 R16 R17 R18 R19 R20 R21 R22 R23 R24 R25 R26 R27 R28 R29 R30 R31 R32 R33 R34 R35 R36 R37 R38 R39 R40 R41 R42 R43 R44 R45 R46 R47 R48 R49 R50 R51 R52 R53 R54 R55 R56 R57 R58 R59 R60 R61 R62 R63 R64 R65 R66 R67 R68 R69 R70 R71 R72 R73 R74 R75 R78 R79 R80 R81 R82 R83 R84 R85 R86 R87 R88 R89 R90 R91 R92 R93 R94 R95 R96 R97 R98 R99 R100 R101 R102 RP1: library part Res_, "电阻"
R76 R77: library part Res2, "Resistor"
RD1: library part "0805 2.2KΩ (2201) 1%", "贴片电阻"
RD2: library part "0805 24KΩ (2402) 1%", "贴片电阻"
T1: library part "Trans Ideal", "Transformer (Ideal)"
U1 U2 U3 U4 U5 U6 U7 U8 U9 U10 U11 U12 U13 U14 U15 U16 U17 U18 U19 U20: library part SP3485
U21 U22 U23 U24 U25 U26 U27 U28 U29 U30 U31 U32 U33 U34 U35 U36 U37 U38 U39 U40: library part MCU, "优信尺寸30.77*58.71"

## Free pads (board coordinates)
  round 236.22 hole 165.35: 0(275.59,275.59) 0(275.59,7047.24) 0(9744.45,787.4) 0(9744.45,6535.43) 0(19212.6,275.59) 0(19212.6,7047.24)

## Via types
v1: diameter 25, hole 20, Top Layer to Bottom Layer, 458 vias
v2: diameter 30, hole 20, Top Layer to Bottom Layer, 281 vias
v3: diameter 40, hole 25, Top Layer to Bottom Layer, 1 vias
v4: diameter 25, hole 15, Top Layer to Bottom Layer, 1 vias

## Nets (pads, with @x,y where several pads share a name; then routed paths per layer and width w, separated by ;. In a path a pad name is that pad's centre, name@x,y a point inside that pad or via, vN(x,y) a via of type N, cw(c..) or ccw(c..) an arc to the next point about the centre after c; other vN are vias at no path point)
+5V: BX1.1 BX2.1 BX3.1 BX4.1 BX5.1 BX6.1 BX7.1 BX8.1 BX9.1 BX10.1 BX11.1 BX12.1 BX13.1 BX14.1 BX15.1 BX16.1 BX17.1 BX18.1 BX19.1 BX20.1 P3.2 RD1.2 | length 54259.5
  Top Layer w40: v2(235,1650) v2(235,2960) ; v2(235,5728.66) BX1.1@590,5728.66 ; P3.2@590.55,3263.31 P3.2@787.4,3263.31 861.69,3263.31 895,3230 895,2590 855.79,2550.79 772.83,2550.79 RD1.2@770,2553.62 ; BX2.1@2411.67,5731.65 v2(2411.67,6328.63) ; v2(2505,970) BX11.1@2505,1621.34 ; BX3.1@4233.33,5731.65 v2(4233.33,6328.63) ; v2(4329.44,970) BX12.1@4329.44,1628.35 ; BX4.1@6049.58,5733.9 6051.83,5731.65 6052.76,5731.65 6055,5733.9 v2(6055,6328.63) ; v2@6153.89,970 BX13.1@6153.89,1628.35 ; BX5.1@7876.67,5731.65 v2(7876.67,6328.63) ; v2@7978.33,970 BX14.1@7978.33,1628.35 ; BX6.1@9698.33,5731.65 v2(9698.33,6328.63) ; v2@9802.78,970 BX15.1@9802.78,1628.35 ; BX7.1@11520,5731.65 v2(11520,6328.63) ; v2(11627.22,970) BX16.1@11627.22,1628.35 ; BX8.1@13338.2,5731.65 BX8.1@13341.67,5731.65 13342.76,5731.65 13345,5733.9 v2(13345,6328.63) ; v2(13451.46,970) 13451.56,970.1 13451.56,1628.24 BX17.1@13451.67,1628.35 ; v2(15160,6330) 15160,5733.9 15162.24,5731.65 BX9.1@15163.33,5731.65 ; v2(15275.87,970) 15275.99,970.12 15275.99,1628.23 BX18.1@15276.11,1628.35 ; BX10.1@16985,5731.65 v2(16985,6165) ; v2(17100.28,970) 17100.28,1641.06 BX19.1@17100.56,1641.34 ; v4(18925,1240) BX20.1@18925,1631.34
  Bottom Layer w40: v2(235,1650) 235,1070 335,970 v2(2505,970) v2(4329.44,970) v2(6153.82,970) v2(7978.23,970) v2(9802.64,970) v2(11627.22,970) v2(13451.46,970) v2(15275.87,970) v2(17100.28,970) 18725,970 18925,1170 v4(18925,1240) ; v2(235,2960) 235,3260 ; P3.2@590.55,3263.31 238.31,3263.31 235,3260 ; v2(16985,6165) 16985,6240 16895,6330 v2(15160,6330) 9705,6330 9704.39,6329.39 7879.39,6329.39 7878.63,6328.63 v2(7876.67,6328.63) v2(6055,6328.63) v2(4233.33,6328.63) v2(2411.67,6328.63) 413.63,6328.63 235,6150 v2(235,5728.66) 235,3260
CarrrierA: J1.11 J2.11 J3.11 J4.11 J5.11 J6.11 J7.11 J8.11 J9.11 J10.11 J11.11 J12.11 J13.11 J14.11 J15.11 J16.11 J17.11 J18.11 J19.11 J20.11 P5.2 | length 47316.3
  Top Layer w40: J11.11@1441.89,320 1445,316.89 1445,195 1540,100 3263.94,100 ; v2@1650.96,7150.96 1650.96,7205.96 1700,7255 3475,7255 ; v2(3263.94,172.28) 3263.94,100 ; v2(3473.83,7150) 3473.83,7253.83 3475,7255 ; J13.11@5085,317.17 J13.11@5087.83,320 ; v2(5087.83,172.28) 5086.88,171.32 5086.88,101.88 5085,100 ; v2(5297.72,7150) 5297.72,7254.78 5297.5,7255 ; v2(6911.72,172.28) 6910.76,171.32 6910.76,100.76 6910,100 ; v2(7121.61,7150) 7121.61,7253.39 7120,7255 ; v2(8735.61,172.28) 8735.61,100.61 8735,100 ; v2(8945,7150) 8945,7250 8940,7255 ; v2@10558.54,171.32 10558.54,103.54 10555,100 ; v2(10770,7150) 10770,7255 ; v2(12383.39,172.28) 12384.34,171.32 12384.34,100.66 12385,100 ; v2(12593.28,7150) 12593.28,7251.72 12590,7255 ; v2(14207.28,172.28) 14206.32,171.32 14206.32,101.32 14205,100 ; v2(14417.17,7150) 14417.17,7252.83 14415,7255 ; v2@16030.21,171.32 16030.21,100.21 16030,100 ; v2(16241.06,7150) 16241.06,7253.94 16240,7255 ; v2(17855,172.28) 17855,100 ; v2(18065,7150) 18065,7255 ; P5.2@18915,4325 19020,4325 ; 3263.94,100 5085,100 ; 3475,7255 5297.5,7255 ; 5085,100 6910,100 ; 5297.5,7255 7120,7255 ; 6910,100 8735,100 ; 7120,7255 8940,7255 ; 8735,100 10555,100 ; 8940,7255 10770,7255 ; 10555,100 12385,100 ; 10770,7255 12590,7255 ; 12385,100 14205,100 ; 12590,7255 14415,7255 ; 14205,100 16030,100 ; 14415,7255 16240,7255 ; 16030,100 17855,100 ; 16240,7255 18065,7255 ; 17855,100 18715,100 19395,780 19395,4015 19415,4035 19415,4200 19290,4325 19020,4325 ; 18065,7255 18795,7255 19025,7025 19025,4775 19025,4330 19020,4325
  Bottom Layer w40: J1.11@1649.95,6995 v2@1649.95,7150 ; v2@3263.94,171.06 v2(3263.94,172.28) J12.11@3263.94,320 ; J2.11@3473.83,6995 v2(3473.83,7150) ; v2@5087.83,167.17 v2(5087.83,172.28) J13.11@5087.83,320 ; J3.11@5297.72,6995 v2(5297.72,7150) ; v2@6911.72,171.72 v2(6911.72,172.28) J14.11@6911.72,320 ; J4.11@7121.61,6995 v2(7121.61,7150) ; v2(8735.61,172.28) J15.11@8735.61,320 ; v2(8945,7150) 8945,6995.5 J5.11@8945.5,6995 ; v2(10559.5,172.28) J16.11@10559.5,320 ; J6.11@10769.39,6995 10770,6995.61 v2(10770,7150) ; v2@12383.39,171.61 v2(12383.39,172.28) J17.11@12383.39,320 ; J7.11@12593.28,6995 v2(12593.28,7150) ; v2(14207.28,172.28) J18.11@14207.28,320 ; J8.11@14417.17,6995 v2@14417.17,7147.83 ; v2(16031.16,172.28) J19.11@16031.16,320 ; J9.11@16241.06,6995 v2@16241.06,7148.94 ; v2@17855.05,170.05 J20.11@17855.05,320 ; J10.11@18064.94,6995 18065,6995.06 v2(18065,7150) ; P5.2@18718.15,4325 P5.2@18915,4325
  other v2: 1650,7150
CarrrierB: J1.15 J2.15 J3.15 J4.15 J5.15 J6.15 J7.15 J8.15 J9.15 J10.15 J11.15 J12.15 J13.15 J14.15 J15.15 J16.15 J17.15 J18.15 J19.15 J20.15 P5.1 | length 43799.1
  Top Layer w40: J1.15@1213.72,6995 1213.72,7058.72 1240,7085 3037.61,7085 J2.15@3037.61,6995 ; J11.15@1878.11,320 1875,316.89 1875,265 1915,225 3700,225 ; 3040,7085 4860,7085 ; J12.15@3700.16,320 3700.16,225.16 3700,225 ; J3.15@4861.5,6995 4860,6996.5 4860,7085 ; J13.15@5524.05,320 5524.05,225.95 5525,225 ; J4.15@6685.39,6995 6685,6995.39 6685,7085 ; J14.15@7347.94,320 7347.94,225 ; J5.15@8509.28,6995 8510,6995.72 8510,7085 ; J15.15@9171.83,320 9170,318.17 9170,225 ; J6.15@10333.17,6995 10335,6996.83 10335,7085 ; J16.15@10995.72,320 10995.72,225.72 10995,225 ; J7.15@12157.06,6995 12160,6997.94 12160,7085 ; J17.15@12819.61,320 12819.61,225.39 12820,225 ; J8.15@13980.95,6995 13980,6995.95 13980,7085 ; J18.15@14643.5,320 14643.5,226.5 14645,225 ; J9.15@15804.84,6995 15805,6995.16 15805,7085 ; 16465,225 14645,225 ; J19.15@16467.39,320 16467.39,225 18290,225 ; J10.15@17628.72,6995 17630,6996.28 17630,7085 ; J20.15@18291.27,320 18291.27,226.27 18290,225 ; P5.1@18718.15,4521.85 18805,4521.85 ; P5.1@18915,4521.85 18805,4521.85 ; v3(19290,4015) 19290,785 18730,225 18290,225 ; 3700,225 5525,225 ; 4860,7085 6685,7085 ; 5525,225 7347.94,225 ; 6685,7085 8510,7085 ; 7347.94,225 9170,225 ; 8510,7085 10335,7085 ; 9170,225 10995,225 ; 10335,7085 12160,7085 ; 10995,225 12820,225 ; 12160,7085 13980,7085 ; 12820,225 14645,225 ; 13980,7085 15805,7085 ; 15805,7085 17630,7085 ; 17630,7085 18660,7085 18810,6935 18810,4765 18810,4526.85 18805,4521.85
  Bottom Layer w40: J5.15@8509.28,6995 J5.15@8510,6995.72 ; J9.15@15804.84,6995 15804.84,6990.16 J9.15@15805,6990 ; P5.1@18915,4521.85 19203.15,4521.85 19290,4435 v3(19290,4015)